# Altium PCB EVK-NORA-W40.PcbDoc (part 5 of 5) (continued)
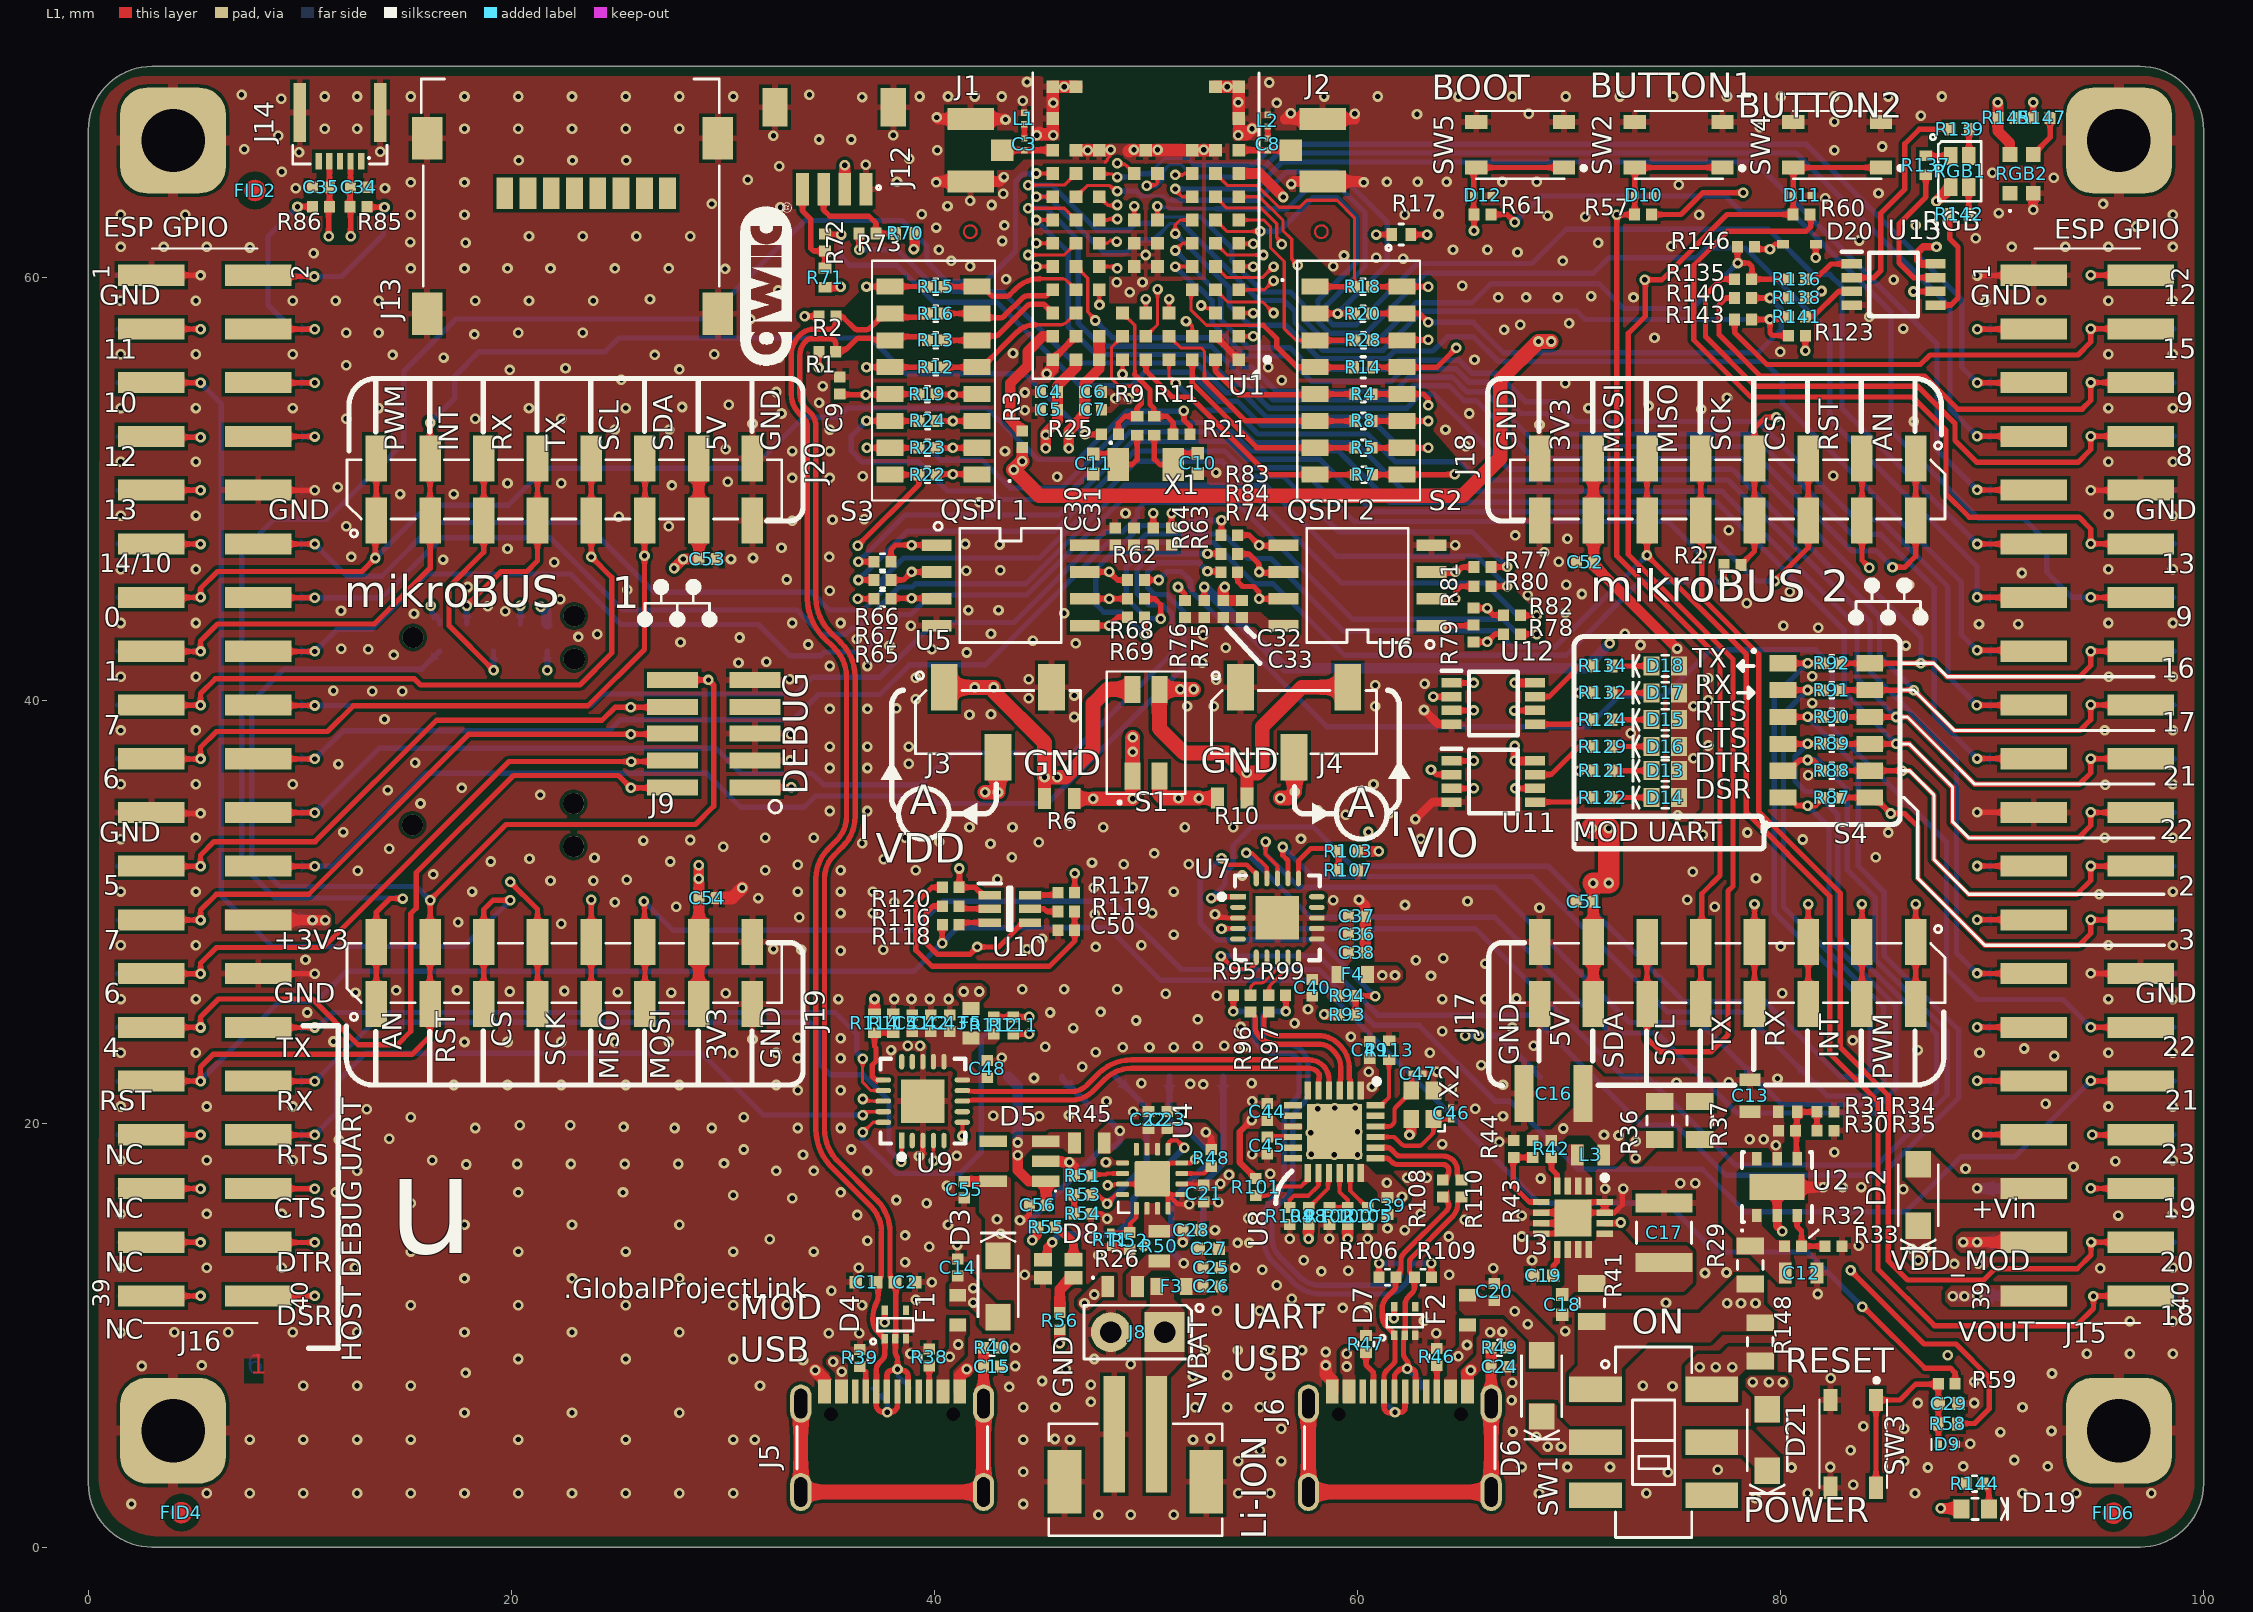
[diagram p0: L1 view]
## Polygon pours and split planes (outlines as drawn) (continued)
GND on L3 "GND_L3" (solid, remove dead copper, pour order 168): 2.718,69.545 97.205,69.545 cw(c97.205,67.183) 99.568,67.183 99.568,3.048 cw(c97.028,3.048) 97.028,0.508 3.301,0.508 cw(c3.301,3.318) 0.491,3.319 0.525,67.353 cw(c2.718,67.352)
5V on L3 "NONET_L-01_P-001" (solid, pour order 167): 43.586,14.529 55.21,14.529 57.194,12.421 66.624,12.421 68.326,10.719 68.326,9.576 69.748,8.153 80.289,8.153 80.67,7.772 80.67,6.426 80.239,5.994 68.936,5.994 65.608,9.322 52.299,9.322 50.876,10.744 42.102,10.744 41.478,11.327 41.478,12.421
+3V3 on L3 "NONET_L-01_P-001" (solid, pour order 160): 29.527,32.093 29.527,29.934 32.741,26.721 42.088,26.721 42.545,26.264 42.545,24.054 43.612,22.987 59.741,22.987 60.554,23.851 60.554,32.918 60.808,33.172 61.189,33.172 61.493,32.868 61.493,27.965 62.878,26.581 62.878,21.45 66.256,18.072 66.557,17.78 66.599,17.78 67.368,17.772 71.501,13.64 71.501,12.827 71.768,12.56 71.933,12.395 82.093,12.395 83.21,11.252 90.145,11.252 90.627,11.735 90.627,17.678 89.662,18.644 78.765,18.644 78.257,19.152 78.257,24.028 67.158,35.128 67.158,41.046 67.361,41.25 73.228,41.25 74.879,42.901 75.463,42.901 76.403,41.961 76.403,34.874 74.955,33.426 74.955,29.997 80.823,24.13 80.823,22.149 81.661,21.311 90.627,21.311 93.269,18.669 93.269,10.109 91.491,8.331 69.799,8.331 68.569,9.561 68.569,10.882 66.167,13.284 58.014,13.284 52.654,18.644 44.171,18.644 38.024,24.79 32.106,24.79 29.464,27.432 11.887,27.432 10.262,29.058 10.262,29.743 10.592,30.074 12.192,30.074 13.335,28.931 27.965,28.931 28.321,29.286 28.321,32.233 28.6,32.512 29.108,32.512
VDD_MOD on L3 "NONET_L-01_P-001" (solid, pour order 162): 50.698,38.278 50.419,38.557 49.047,38.557 47.142,36.652 32.766,36.652 32.334,36.22 32.334,35.281 32.817,34.798 49.352,34.798 51.206,36.652 63.17,36.652 64.237,35.585 64.237,33.147 69.418,27.965 69.418,18.39 72.136,15.672 72.136,15.088 73.66,13.564 82.169,13.564 84.176,11.557 84.658,11.557 84.963,11.862 84.963,13.487 86.004,14.529 87.097,14.529 87.681,13.945 89.357,13.945 89.586,14.173 89.586,15.342 89.281,15.646 88.443,15.646 87.579,16.51 78.816,16.51 77.318,18.009 77.318,24.663 67.005,34.976 67.005,37.922 66.65,38.278
GND on L2 "GND_L2" (solid, remove dead copper, pour order 161): 2.718,69.545 97.206,69.545 cw(c97.206,67.183) 99.568,67.183 99.568,3.048 cw(c97.028,3.048) 97.028,0.508 3.301,0.508 cw(c3.301,3.318) 0.491,3.32 0.525,67.353 cw(c2.718,67.352)
GND on L5 "GND_L5" (solid, remove dead copper, pour order 166): 2.718,69.545 97.205,69.545 cw(c97.205,67.183) 99.568,67.183 99.568,3.048 cw(c97.028,3.048) 97.028,0.508 3.301,0.508 cw(c3.301,3.318) 0.491,3.319 0.525,67.353 cw(c2.718,67.352)

## Other copper
L1:
  pour cut-out: 53.289,56.82 cw(c53.342,56.519) 53.518,56.769 53.721,56.566 53.086,56.566 53.086,56.577 cw(c53.017,56.62) 52.984,56.694 52.984,56.82
  pour cut-out: 64.16,16.967 64.169,16.958 64.169,16.807 64.381,16.807 64.389,16.815 64.389,16.967
  pour cut-out: 52.64,64.29 52.64,65.39 52.63,65.38 49.2,65.38 48.946,65.126 48.946,64.719 49.174,64.491 51.659,64.491 51.86,64.29
  pour cut-out: 46.04,62.09 47.14,62.09 47.14,60.99 46.557,60.99 46.04,61.507
  pour cut-out: 47.917,65.367 47.363,65.367 47.34,65.39 46.04,65.39 46.04,64.379 45.263,63.602 45.263,62.29 47.14,62.29 47.34,62.29 48.514,63.464 48.514,65.367
  pour cut-out: 48.24,62.29 48.99,62.29 48.99,62.44 48.946,62.484 48.235,62.484
  pour cut-out: 48.24,62.09 48.988,62.092 48.988,62.043 48.946,62.001 48.235,62.001
  pour cut-out: 48.24,61.19 48.985,61.19 48.988,61.188 48.997,61.197 48.997,61.392 48.235,61.392
  pour cut-out: 48.24,60.99 48.988,60.992 48.988,60.799 48.946,60.757 48.233,60.757
  pour cut-out: 45.138,56.29 44.755,56.29 44.755,56.388 44.983,56.617 45.212,56.617
  pour cut-out: 89.33,2.403 89.332,2.405 89.332,2.565 89.51,2.565 89.51,2.388
  pour cut-out: 81.407,19.253 81.16,19.253 81.16,18.823 81.158,18.821 81.001,18.821 81.001,19.228 81.102,19.329 81.102,20.091 81.407,20.091
  pour cut-out: 42.926,23.749 42.926,23.317 42.189,23.317 42.189,23.749
  pour cut-out: 82.906,13.081 82.906,11.989 86.258,8.636 87.63,8.636 87.63,9.474 87.528,9.576 86.741,9.576 83.236,13.081
  pour cut-out: 80.904,41.39 80.904,35.921 80.796,35.813 79.249,35.813 79.172,35.89 79.172,41.275 79.273,41.377
  pour cut-out: 37.617,21.844 37.617,21.869 37.541,21.946 37.16,21.946 37.135,21.92 37.135,21.819 37.16,21.793 37.567,21.793
  pour cut-out: 35.1,7.769 35.1,8.074 35.128,8.103 35.179,8.103 35.204,8.077 35.204,7.798 35.179,7.772
  pour cut-out: 41.529,7.341 41.529,7.899 41.935,8.306 41.935,7.696 41.58,7.341
  pour cut-out: 65.532,7.315 65.532,8.026 65.913,8.407 65.938,8.382 65.938,7.671 65.583,7.315
  pour cut-out: 57.35,47.796 57.35,43.986 55.861,43.986 55.397,44.45 55.397,47.543 55.65,47.796
  pour cut-out: 10.8,64.709 10.8,64.975 12.975,64.975 12.975,64.709 11.834,64.709 11.825,64.7
  pour cut-out: 12.425,61.575 11.35,61.575 11.35,61.925 11.325,61.95 11.8,62.425 11.8,64.975 11.825,65 12,65 12,62.125 12.425,61.7
  pour cut-out: 66.533,42.712 66.569,42.748 68.885,42.748 68.885,43.815 66.446,46.253 65.278,46.253 65.049,46.025 65.049,42.748
  pour cut-out: 62.65,46.526 62.65,43.136 65.075,43.136 65.075,45.618 64.16,46.533
  pour cut-out: 40.95,47.796 40.95,44.406 38.322,44.406 38.252,44.475 38.252,47.32 38.783,47.32 39.25,47.787
  pour cut-out: 56.005,20.824 56.418,20.824 56.439,20.803 56.439,20.447 56.388,20.396 56.185,20.396 56.058,20.523 56.058,20.77 56.005,20.822
  pour cut-out: 53.94,66.491 55.595,66.491 56.093,66.99 59.599,66.99 59.599,65.09 56.279,65.09 55.779,65.59 53.94,65.59
  pour cut-out: 46.39,66.49 44.203,66.49 43.703,66.99 40.456,66.99 40.456,65.09 43.729,65.09 44.229,65.59 46.39,65.59
  pour cut-out: 89.383,67.328 89.383,63.554 89.201,63.373 88.265,63.373 87.757,62.865 87.757,60.833 87.249,60.325 85.979,60.325 85.344,60.96 85.344,62.662 86.995,64.313 86.995,67.294
  pour cut-out: 70.866,19.355 71.145,19.075 71.247,19.075 71.247,17.424 70.79,17.882 70.79,19.279
  pour cut-out: 50.089,62.382 50.089,62.052 50.698,62.052 50.698,62.382
  pour cut-out: 57.247,64.067 57.239,64.059 56.769,64.059 56.769,63.576 56.693,63.5 56.693,63.348 57.125,63.348 57.61,63.833 57.61,64.04
  pour cut-out: 46.25,46.526 46.25,43.136 50.35,43.136 50.952,43.739 50.952,45.849 50.649,46.152 48.692,46.152 48.311,46.533
  pour cut-out: 58.296,15.418 58.064,15.418 58.064,16.002 58.039,16.027 58.341,16.027
  pour cut-out: 63.525,52.825 65.329,50.741 65.329,50.343 64.922,49.936 55.042,49.936 54.915,50.063 54.915,53.3
  pour cut-out: 63.754,59.614 63.754,57.048 63.703,56.998 64.313,56.388 64.313,56.236 64.14,56.236 63.402,55.498 62.883,55.498 62.883,55.253 57.213,55.253 57.213,55.503 56.337,56.379 56.337,61.9 56.744,62.306 58.927,60.123 62.883,60.123 62.885,60.122 63.449,60.122 63.754,59.817 63.754,59.669
  pour cut-out: 35.744,58.616 36.488,59.36 42.24,59.36 42.774,58.826 41.631,57.683 36.144,57.683 35.687,58.141
  pour cut-out: 35.738,56.09 35.756,56.109 42.418,56.109 42.672,56.363 42.037,56.998 35.865,56.998 35.738,56.871
  pour cut-out: 49.335,50.256 50.635,50.256 50.635,51.701 50.114,52.222 49.454,52.222 49.352,52.121
  pour cut-out: 45.237,51.537 47.066,51.537 47.066,52.603 46.99,52.68 45.212,52.68
  pour cut-out: 47.34,60.99 47.14,60.99 47.142,60.988 47.142,60.35 47.219,60.274 47.371,60.274 47.34,60.305
  pour cut-out: 52.64,59.89 52.84,59.89 52.84,65.39 54.445,65.39 54.788,65.047 54.788,59.715 53.899,58.826 53.007,58.826 52.64,59.193
  pour cut-out: 50.698,60.09 52.64,60.09 52.64,63.19 50.947,63.19 50.698,62.941
  pour cut-out: 48.988,60.088 48.985,60.09 48.24,60.09 48.24,58.846 48.296,58.79 49.617,58.79 49.632,58.776 50.19,58.776 50.19,59.411 50.622,59.842 51.918,59.842 52.172,59.588 52.172,58.073 50.995,56.896 48.082,56.896 47.422,57.556 47.422,60.376 47.676,60.63 48.946,60.63 48.997,60.579
  text "1" at 7.621,7.874 h1.6
L3:
  pour cut-out: 50.994,62.257 51,62.252 51,59.25 54.001,62.251 ccw(c53.703,62.55) 54.125,62.55 ccw(c54.004,62.55) 54.09,62.635 53.975,62.75 51.562,62.75 ccw(c51.562,62.238) 51.2,62.6
  pour cut-out: 48.062,60.201 48.062,61.321 ccw(c47.423,61.321) 47.875,61.773 ccw(c47.809,61.707) 47.809,61.8 47.291,61.8 ccw(c47.291,60.771) 46.563,61.499 42.372,57.307 ccw(c43.55,56.13) 41.885,56.13 41.885,55.97 ccw(c42.62,55.97) 42.1,55.45 ccw(c42.221,55.571) 42.221,55.4 42.875,55.4 ccw(c42.875,55.46) 42.918,55.418 43.375,55.875 43.121,56.129 cw(c43.291,56.3) 43.05,56.3 43.05,56.734 cw(c43.391,56.734) 43.15,56.975 43.956,57.781 cw(c45.752,55.985) 45.752,58.525 46.225,58.525
  pour cut-out: 47.975,54.675 49.575,54.675 49.575,53.931 49.144,53.5 ccw(c50.94,51.704) 48.4,51.704 48.4,49.338 ccw(c48.458,49.338) 48.417,49.297 cw(c48.277,49.157) 48.475,49.157 48.475,42.768 ccw(c49.243,42.768) 48.7,42.225 49.196,42.225 ccw(c49.196,44.765) 50.992,42.969 51.446,43.423 cw(c52.087,42.782) 52.087,43.688 57.358,43.688 cw(c57.359,42.659) 58.087,43.386 58.798,42.675 ccw(c59.823,43.697) 59.824,42.25 67.818,42.25 ccw(c67.818,43.957) 69.025,42.75 ccw(c68.844,42.931) 69.1,42.931 69.1,44.815 ccw(c67.991,44.815) 68.775,45.6 67.368,47.007 cw(c69.164,48.803) 66.624,48.803 66.624,49.836 66.596,49.836 cw(c66.596,51.421) 65.475,50.3 ccw(c64.751,50.3) 65.263,50.812 63.787,52.288 ccw(c63.275,51.776) 63.275,52.5 63.222,52.5 cw(c63.222,54.122) 62.075,52.975 cw(c62.434,53.334) 61.926,53.334 61.926,55.373 ccw(c60.014,55.373) 61.366,56.726 59.613,58.48 ccw(c59.201,58.068) 59.201,58.65 51.574,58.65 ccw(c51.574,56.11) 49.778,57.906 47.664,55.792 cw(c47.447,56.009) 47.447,55.702 46.076,55.702 ccw(c46.076,55.5) 45.933,55.643 ccw(c46.072,55.504) 45.875,55.504 45.875,55.129 ccw(c46.024,55.129) 45.919,55.024 45.984,54.958 ccw(c46.125,55.099) 46.125,54.9 47.765,54.9 ccw(c47.765,54.985) 47.825,54.925 47.904,54.846 cw(c47.734,54.675)
  text "3" at 7.493,7.889 h1.6
L4:
  text "4" at 7.442,7.874 h1.6
L2:
  text "2" at 7.494,7.901 h1.6
L5:
  text "5" at 7.494,7.889 h1.6
L6:
  pour cut-out: 84.975,42.225 87.225,42.225 87.225,40.25 83.6,36.625 83.6,35.8 81.5,35.8 80.137,37.163 80.137,39.112 80.65,39.625 83.025,39.625 84.325,40.925 84.325,41.825
  text "6" at 7.493,7.889 h1.6
Multi-Layer:
  circle w0.1: c58.29,62.19 r0.3
  circle w0.1: c41.69,62.19 r0.3
  pour cut-out: 7.366,8.89 8.255,8.89 8.255,7.747 7.366,7.747

## Silkscreen, mask and mechanical layers (free items; w line width, h text height)
Top Overlay:
  drawing of 200 lines, arcs and shapes, not listed
  text "BUTTON1" at 70.987,68.117 h2
  text "BOOT" at 63.519,68.029 h2
  text "BUTTON2" at 77.987,67.181 h2
  text "RGB" at 86.71,61.919 h1.6
  text "ESP GPIO" at 0.699,61.646 h1.6
  text "ESP GPIO" at 92.951,61.544 h1.6
  text "1" at 1.27,59.945 h1.35 r90
  text "2" at 10.668,59.945 h1.35 r90
  text "1" at 90.17,59.945 h1.35 r90
  text "2" at 99.568,59.818 h1.35 r90
  text "GND" at 0.508,58.435 h1.6
  text "GND" at 88.976,58.435 h1.6
  text "12" at 98.071,58.445 h1.6
  text "15" at 98.045,55.895 h1.6
  text "11" at 0.687,55.88 h1.6
  text "10" at 0.687,53.355 h1.6
  text "9" at 98.706,53.355 h1.6
  text "PWM" at 15.24,51.816 h1.6 r90
  text "INT" at 17.78,51.816 h1.6 r90
  text "RX" at 20.32,51.816 h1.6 r90
  text "TX" at 22.86,51.817 h1.6 r90
  text "SCL" at 25.385,51.816 h1.6 r90
  text "SDA" at 27.925,51.816 h1.6 r90
  text "5V" at 30.465,51.817 h1.6 r90
  text "GND" at 33.005,51.816 h1.6 r90
  text "GND" at 67.803,51.816 h1.6 r90
  text "3V3" at 70.343,51.816 h1.6 r90
  text "SCK" at 77.963,51.816 h1.6 r90
  text "CS" at 80.503,51.816 h1.6 r90
  text "RST" at 83.043,51.816 h1.6 r90
  text "AN" at 85.598,51.816 h1.6 r90
  text "MOSI" at 72.883,51.689 h1.6 r90
  text "MISO" at 75.423,51.689 h1.6 r90
  text "8" at 98.68,50.815 h1.6
  text "12" at 0.687,50.8 h1.6
  text "13" at 0.687,48.275 h1.6
  text "GND" at 8.509,48.275 h1.6
  text "GND" at 96.774,48.275 h1.6
  text "QSPI 1" at 40.268,48.26 h1.6
  text "QSPI 2" at 56.651,48.26 h1.6
  text "14/10" at 0.509,45.779 h1.5
  text "13" at 97.995,45.735 h1.6
  text "mikroBUS" at 70.993,44.196 h2.6
  text "2" at 81.915,44.196 h2.6
  text "mikroBUS" at 12.09,43.942 h2.6
  text "1" at 24.742,43.9 h2.6
  text "9" at 98.68,43.22 h1.6
  text "0" at 0.711,43.195 h1.6
  text "TX" at 75.82,41.275 h1.6
  text "16" at 97.969,40.782 h1.6
  text "1" at 0.713,40.64 h1.6
  text "RX" at 75.946,40.005 h1.6
  text "RTS" at 75.946,38.75 h1.6
  text "17" at 98.02,38.227 h1.6
  text "7" at 0.711,38.1 h1.6
  text "CTS" at 75.946,37.48 h1.6
  text "DTR" at 75.946,36.322 h1.6
  text "GND" at 52.578,36.213 h2
  text "GND" at 44.196,36.086 h2
  text "21" at 98.071,35.687 h1.6
  text "6" at 0.686,35.575 h1.6
  text "DEBUG" at 34.399,35.56 h2 r90
  text "DSR" at 75.946,35.067 h1.6
  text "A" at 38.822,34.163 h2.4
  text "A" at 59.523,34.036 h2.4
  text "I" at 61.54,33.147 h2.4
  text "22" at 97.918,33.147 h1.6
  text "GND" at 0.508,33.035 h1.6
  text "MOD UART" at 70.199,33.05 h1.6
  text "I" at 36.394,33.02 h2.4
  text "VIO" at 62.357,32.131 h2.4
  text "VDD" at 37.211,31.877 h2.4
  text "5" at 0.687,30.52 h1.6
  text "2" at 98.807,30.48 h1.6
  text "+3V3" at 8.763,27.955 h1.6
  text "3" at 98.806,27.955 h1.6
  text "7" at 0.711,27.94 h1.6
  text "6" at 0.711,25.415 h1.6
  text "GND" at 8.763,25.415 h1.6
  text "GND" at 96.774,25.415 h1.6
  text "CS" at 20.305,23.622 h1.6 r90
  text "5V" at 70.343,23.623 h1.6 r90
  text "RX" at 80.518,23.622 h1.6 r90
  text "AN" at 15.113,23.495 h1.6 r90
  text "TX" at 77.978,23.496 h1.6 r90
  text "INT" at 83.058,23.114 h1.6 r90
  text "3V3" at 30.465,22.987 h1.6 r90
  text "22" at 98.045,22.885 h1.6
  text "4" at 0.686,22.86 h1.6
  text "TX" at 8.891,22.86 h1.6
  text "RST" at 17.638,22.86 h1.6 r90
  text "GND" at 67.936,22.788 h1.6 r90
  text "SCK" at 22.845,22.733 h1.6 r90
  text "SCL" at 75.296,22.733 h1.6 r90
  text "GND" at 33.005,22.606 h1.6 r90
  text "SDA" at 72.883,22.606 h1.6 r90
  text "MISO" at 25.385,22.098 h1.6 r90
  text "MOSI" at 27.798,22.098 h1.6 r90
  text "PWM" at 85.598,22.098 h1.6 r90
  text "21" at 98.172,20.371 h1.6
  text "RST" at 0.508,20.335 h1.6
  text "RX" at 8.89,20.32 h1.6
  text "23" at 97.995,17.82 h1.6
  text "NC" at 0.762,17.795 h1.6
  text "RTS" at 8.89,17.795 h1.6
  text "NC" at 0.762,15.255 h1.6
  text "CTS" at 8.763,15.255 h1.6
  text "19" at 98.045,15.255 h1.6
  text "+Vin" at 89.027,15.24 h1.6
  text "VDD_MOD" at 85.217,12.774 h1.6
  text "NC" at 0.762,12.715 h1.6
  text "20" at 97.918,12.715 h1.6
  text "DTR" at 8.89,12.7 h1.6
  text "u" at 14.182,12.344 h8
  text ".GlobalProjectLink" at 22.479,11.455 h1.6
  text "39" at 1.258,11.303 h1.35 r90
  text "40" at 10.656,11.176 h1.35 r90
  text "39" at 90.158,11.176 h1.35 r90
  text "40" at 99.556,11.176 h1.35 r90
  text "DSR" at 8.89,10.175 h1.6
  text "18" at 97.918,10.175 h1.6
  text "ON" at 72.974,9.677 h2
  text "NC" at 0.762,9.54 h1.6
  text "VOUT" at 88.392,9.413 h1.6
  text "HOST DEBUG UART" at 13.193,8.763 h1.6 r90
  text "MOD / USB" at 30.785,8.357 h2
  text "UART / USB" at 54.109,7.923 h2
  text "RESET" at 80.233,7.831 h2
  text "VBAT" at 53.213,7.493 h1.6 r90
  text "GND" at 46.848,7.061 h1.6 r90
  text "POWER" at 78.232,0.762 h2
  text "Li-ION" at 56.081,0.365 h2 r90
  text ".Layer_Name" at 215.73,-11.166 h0.61
Bottom Overlay:
  drawing of 490 lines, arcs and shapes, not listed
  text "MOD PIN / ESP GPIO" at 14.3,61.366 h1.6
  text "MOD PIN / ESP GPIO" at 99.568,61.239 h1.6
  text ".GlobalProjectLink" at 75.819,60.325 h1.91
  text "D8/IO12" at 97.409,59.761 h1.6
  text "GND" at 5.207,59.705 h1.6
  text "C5" at 12.319,59.705 h1.6
  text "GND" at 88.9,59.705 h1.6
  text "NORA Evaluation Board" at 86.03,57.48 h2.4
  text "B5" at 12.192,57.165 h1.6
  text "J5" at 88.9,57.165 h1.6
  text "A6/IO11" at 7.366,57.094 h1.6
  text "H9/IO15" at 97.282,57.094 h1.6
  text "NC" at 12.217,55.793 h1.6
  text "J7" at 88.9,54.752 h1.6
  text "H8/IO9" at 97.282,54.681 h1.6
  text "A5/IO10/14" at 9.271,53.665 h1.6
  text "NC" at 12.446,52.085 h1.6
  text "J4" at 88.9,52.085 h1.6
  text "D9/IO12" at 7.366,52.014 h1.6
  text "J8/IO8" at 97.282,52.014 h1.6
  text "Switch" at 28.956,51.054 h2
  text "NORA Pin" at 37.592,51.054 h2
  text "Option 2" at 48.26,51.054 h2
  text "Switch" at 56.388,51.054 h2
  text "NORA Pin" at 65.024,51.054 h2
  text "Option 1" at 75.692,51.054 h2
  text "ESP GPIO" at 84.836,51.054 h2
  text "GND" at 13.462,49.545 h1.6
  text "H3" at 88.9,49.545 h1.6
  text "GND" at 97.282,49.545 h1.6
  text "C9/IO13" at 7.493,49.474 h1.6
  text "JT_TCK" at 75.184,49.1 h2
  text "S2.6" at 26.416,48.983 h2
  text "SDA" at 47.244,48.983 h2
  text "S2.1" at 54.864,48.983 h2
  text "J2" at 61.468,48.983 h2
  text "6" at 83.82,48.983 h2
  text "B4" at 33.528,48.902 h2
  text "G4" at 88.9,47.005 h1.6
  text "D1" at 12.192,46.99 h1.6
  text "E9/IO14" at 7.366,46.934 h1.6
  text "C8/IO13" at 97.282,46.934 h1.6
  text "JT_MTDO" at 75.184,46.56 h2
  text "S2.7" at 26.416,46.443 h2
  text "SCL" at 47.244,46.443 h2
  text "S2.3" at 54.864,46.443 h2
  text "G1" at 61.468,46.443 h2
  text "7" at 83.82,46.443 h2
  text "A3" at 33.528,46.373 h2
  text "C6/IO0" at 6.655,44.652 h1.6
  text "G2" at 88.9,44.465 h1.6
  text "E2" at 12.192,44.45 h1.6
  text "F7/IO9" at 97.282,44.394 h1.6
  text "Digital-IO" at 47.244,44.074 h2
  text "S2.2" at 26.924,43.954 h2
  text "S3.1" at 54.864,43.903 h2
  text "F7" at 61.468,43.903 h2
  text "BOOT" at 75.184,43.903 h2
  text "9" at 83.818,43.903 h2
  text "H8" at 33.528,43.833 h2
  text "G8/IO16" at 97.536,42.235 h1.6
  text "B6/IO1" at 6.477,41.981 h1.6
  text "C4" at 12.319,41.925 h1.6
  text "G3" at 88.9,41.925 h1.6
  text "Digital-IO" at 47.244,41.534 h2
  text "Digital-IO" at 75.184,41.534 h2
  text "S3.4" at 26.924,41.49 h2
  text "S2.8" at 54.864,41.363 h2
  text "A5" at 61.468,41.373 h2
  text "10" at 84.326,41.363 h2
  text "E9" at 33.528,41.293 h2
  text "MOD_TX" at 97.79,41.095 h1.6
  text "G9/IO17" at 97.536,39.695 h1.6
  text "A3/IO7" at 6.604,39.441 h1.6
  text "F3" at 88.9,39.385 h1.6
  text "E1" at 12.065,39.37 h1.6
  text "USB_N" at 47.244,38.94 h2
  text "S3.7" at 26.416,38.823 h2
  text "S3.8" at 54.864,38.823 h2
  text "D8" at 61.468,38.823 h2
  text "BUTTON1" at 75.184,38.823 h2
  text "12" at 84.326,38.814 h2
  text "D9" at 33.528,38.753 h2
  text "MOD_RX" at 97.79,38.555 h1.6
  text "F8/IO21" at 97.409,37.028 h1.6
  text "E3" at 88.9,36.845 h1.6
  text "D2" at 12.319,36.83 h1.6
  text "B4/IO6" at 6.604,36.774 h1.6
  text "USB_P" at 47.244,36.4 h2
  text "S3.6" at 26.416,36.283 h2
  text "S3.5" at 54.864,36.283 h2
  text "C8" at 61.468,36.283 h2
  text "BUTTON2" at 75.184,36.283 h2
  text "13" at 84.326,36.283 h2
  text "C9" at 33.528,36.203 h2
  text "MOD_RTS" at 97.79,35.888 h1.6
  text "F9/IO22" at 97.409,34.615 h1.6
  text "GND" at 5.207,34.305 h1.6
  text "GND" at 88.9,34.305 h1.6
  text "F1" at 12.065,34.29 h1.6
  text "SPI_WP" at 75.184,33.86 h2
  text "S3.2" at 26.695,33.743 h2
  text "RTS" at 47.244,33.743 h2
  text "S2.5" at 54.864,33.743 h2
  text "A2" at 61.468,33.734 h2
  text "21" at 84.326,33.734 h2
  text "F8" at 33.528,33.673 h2
  text "MOD_CTS" at 97.79,33.475 h1.6
  text "E8/IO2" at 97.409,32.075 h1.6
  text "G5" at 88.9,31.765 h1.6
  text "F2" at 12.065,31.75 h1.6
  text "H1/IO5" at 6.731,31.694 h1.6
  text "SPI_HD" at 75.184,31.32 h2
  text "S3.3" at 26.416,31.203 h2
  text "CTS" at 47.244,31.203 h2
  text "S2.4" at 54.864,31.203 h2
  text "D3" at 61.468,31.203 h2
  text "22" at 84.326,31.194 h2
  text "F9" at 33.528,31.133 h2
  text "MOD_DTR" at 97.79,30.935 h1.6
  text "J9/IO3" at 97.409,29.535 h1.6
  text "+3V3" at 13.716,29.225 h1.6
  text "G7" at 88.9,29.225 h1.6
  text "G1/IO7" at 6.731,29.154 h1.6
  text "MOD_DSR" at 97.79,28.395 h1.6
  text "ESP GPIOs are multiplexed to different NORA pins. The ON/OFF switch selection determines the corresponding NORA pin. It is recommended to enable only one interface at a time." at 84.582,26.924 h1.6
  text "J2/IO6" at 6.604,26.868 h1.6
  text "GND" at 13.335,26.685 h1.6
  text "GND" at 97.409,26.685 h1.6
  text "A4" at 88.9,26.67 h1.6
  text "D3/IO22" at 97.409,24.328 h1.6
  text "TX" at 12.318,24.13 h1.6
  text "H7" at 88.9,24.13 h1.6
  text "H2/104" at 6.858,24.074 h1.6
  text "E7" at 88.9,21.717 h1.6
  text "A2/IO21" at 97.409,21.661 h1.6
  text "RX" at 12.192,21.59 h1.6
  text "J3/RESET" at 8.763,21.534 h1.6
  text "B3/IO23" at 97.409,19.121 h1.6
  text "NC" at 4.191,19.065 h1.6
  text "D7" at 88.9,19.05 h1.6
  text "RTS" at 12.954,18.938 h1.6
  text "B1/IO19" at 97.409,16.581 h1.6
  text "NC" at 4.191,16.525 h1.6
  text "+Vin" at 88.9,16.51 h1.6
  text "CTS" at 13.081,16.398 h1.6
  text "VDD_MOD" at 88.9,14.171 h1.6
  text "C1/IO20" at 97.409,14.041 h1.6
  text "NC" at 4.191,13.985 h1.6
  text "DTR" at 13.081,13.97 h1.6
  text "S" at 35.595,11.918 h6
  text "Professional" at 28.078,11.719 h1.54
  text "C2/IO18" at 97.409,11.501 h1.6
  text "NC" at 4.064,11.445 h1.6
  text "VOUT" at 88.9,11.445 h1.6
  text "DSR" at 13.081,11.191 h1.6
  text "HOST DEBUG UART" at 14.366,10.922 h1.6 r270
  text "RoHS" at 23.513,1.844 h2.5 r270
  text "UBXH60-0001145" at 91.44,1.666 h1.6
  text "Rev B" at 72.009,1.651 h1.6
  text ".Layer_Name" at 215.73,-32.172 h0.61
Top Paste:
  rectangle: 209.126,-8.854 213.952,-6.441
  lines w0.2: 209.126,-8.854 232.494,-8.854 232.494,-6.441 209.126,-6.441
  text ".Layer_Name" at 215.73,-8.169 h0.61
Bottom Paste:
  rectangle: 209.126,-35.855 213.952,-33.442
  lines w0.2: 232.494,-35.855 209.126,-35.855 209.126,-33.442 232.494,-33.442
  text ".Layer_Name" at 215.73,-35.169 h0.61
Top Solder:
  rectangle: 209.126,-14.849 213.952,-12.436
  lines w0.2: 209.126,-14.849 232.494,-14.849 232.494,-12.436 209.126,-12.436 209.126,-14.849
  text ".Layer_Name" at 215.73,-14.163 h0.61
Bottom Solder:
  rectangle: 209.126,-29.86 213.952,-27.447
  lines w0.2: 209.126,-29.86 209.126,-27.447 232.494,-27.447 232.494,-29.86 209.126,-29.86
  text ".Layer_Name" at 215.73,-29.174 h0.61
Route Tool Path:
  rectangle: 209.126,18.134 213.952,20.547
  lines w0.2: 209.126,18.134 232.494,18.134 232.494,20.547 209.126,20.547 209.126,18.134
  text ".Layer_Name" at 215.73,18.819 h0.61
Border & Title:
  drawing of 60 lines, arcs and shapes, not listed
  text "1" at -0.948,136.304 h0.61
  text "2" at 68.919,136.304 h0.61
  text "3" at 138.642,136.304 h0.61
  text "4" at 208.518,136.304 h0.61
  text "REVISION" at 189.524,130.402 h0.61
  text "REV" at 153.71,126.084 h0.61
  text "DESCRIPTION" at 164.632,126.084 h0.61
  text "DATE" at 214.416,126.084 h0.61
  text "BY" at 230.418,126.084 h0.61
  text "Rev1" at 153.71,122.274 h0.61
  text ".ReleaseDesc1" at 164.632,122.274 h0.61
  text ".ReleaseBy1" at 229.148,122.274 h0.61
  text ".ReleaseDate1" at 212.384,122.02 h0.61
  text ".ReleaseBy2" at 229.148,118.464 h0.61
  text ".ReleaseDate2" at 212.384,118.21 h0.61
  text ".ReleaseRev2" at 152.942,115.438 h0.61
  text ".ReleaseDesc2" at 163.864,115.438 h0.61
  text ".ReleaseDate3" at 212.384,114.654 h0.61
  text ".ReleaseBy3" at 229.148,114.654 h0.61
  text ".ReleaseRev3" at 152.942,111.628 h0.61
  text ".ReleaseDesc3" at 163.864,111.628 h0.61
  text "A" at -33.367,110.446 h0.61
  text "A" at 240.953,110.446 h0.61
  text "B" at -33.367,56.471 h0.61
  text "B" at 240.953,56.471 h0.61
  text "LAYER USAGE" at 210.396,21.956 h0.61
  text "C" at -33.367,2.496 h0.61
  text "C" at 240.953,2.496 h0.61
  text "D" at -33.367,-51.352 h0.61
  text "D" at 240.953,-51.352 h0.61
  text "PROJECT:" at 163.56,-54.603 h0.61
  text "ENGINEER:" at 125.053,-54.628 h0.61
  text ".ProjectEngineer" at 136.692,-56.288 h0.61
  text ".GlobalProjectName" at 174.538,-56.288 h0.61
  text "PCB NAME:" at 163.433,-60.038 h0.61
  text "DATE:" at 125.129,-60.14 h0.61
  text "REV:" at 216.747,-60.369 h0.61
  text ".GlobalProjectRevision" at 223.996,-62.263 h0.61
  text ".GlobalReleaseDate" at 132.374,-62.384 h0.61
  text ".PCBName" at 174.538,-62.384 h0.61
  text "DWG NO:" at 125.262,-66.448 h0.61
  text "FILE NAME:" at 163.362,-66.448 h0.61
  text "SCALE:" at 216.62,-66.642 h0.61
  text "CONFIDENTIAL" at 95.655,-68.575 h0.61
  text ".Pcb_File_Name_No_Path" at 165.648,-69.242 h0.61
  text "1:1" at 225.332,-69.36 h0.61
  text ".PCBDocNum" at 131.866,-69.496 h0.61
  text "1" at -0.948,-74.516 h0.61
  text "2" at 68.919,-74.516 h0.61
  text "3" at 138.642,-74.516 h0.61
  text "4" at 208.518,-74.516 h0.61
Fabrication Notes:
  rectangle: 209.126,15.25 213.952,17.663
  lines w0.2: 209.126,15.25 232.494,15.25 232.494,17.663 209.126,17.663 209.126,15.25
  text ".Layer_Name" at 215.73,15.936 h0.61
Rigid Outline:
  rectangle: 209.126,12.253 213.952,14.666
  lines w0.2: 209.126,12.253 209.126,14.666 232.494,14.666 232.494,12.253 209.126,12.253
  text ".Layer_Name" at 215.73,12.939 h0.61
Ref Des Top:
  rectangle: 209.126,9.256 213.952,11.669
  lines w0.1: 42.205,14.444 43.005,14.844 43.805,14.444 ; 42.205,14.844 43.805,14.844 ; 52.329,13.046 52.324,11.684 ; 52.329,13.081 51.308,13.081 51.308,15.494 49.149,15.494 47.752,15.494 47.752,15.367 47.752,15.24 47.752,14.859 47.752,11.684 52.07,11.684 52.324,11.684 ; 53.858,11.684 53.848,9.017 57.404,9.017 57.404,11.684 52.324,11.684 ; 65.163,63.65 65.163,64.15 ; 67.907,5.095 69.507,5.095 ; 67.907,5.495 68.707,5.095 69.507,5.495 ; 72.783,63.65 72.783,64.15 ; 73.025,35.183 73.025,35.683 ; 73.025,36.453 73.025,36.953 ; 73.025,37.596 73.025,38.096 ; 73.025,38.866 73.025,39.366 ; 73.025,40.107 73.025,40.607 ; 73.025,41.376 73.025,41.876 ; 78.569,2.53 80.169,2.53 ; 78.569,2.93 79.369,2.53 80.169,2.93 ; 79.839,61.299 79.839,61.799 ; 80.276,63.65 80.276,64.15 ; 85.712,14.112 87.312,14.112 ; 85.712,14.512 86.512,14.112 87.312,14.512 ; 90.449,1.553 90.449,2.053 ; 91.084,-5.279 91.084,-4.779
  lines w0.2: 209.126,9.256 209.126,11.669 232.494,11.669 232.494,9.256 209.126,9.256
  text "SW2" at 81.712,66.049 h1
  text "SW4" at 73.812,65.973 h1
  text "SW5" at 66.802,65.922 h1
  text "RGB2" at 90.424,63.128 h1
  text "D20" at 82.296,61.731 h1
  text "S2" at 61.341,59.572 h1
  text "S3" at 41.402,59.445 h1
  text "U13" at 84.583,59.445 h1
  text "S4" at 83.82,42.173 h1
  text "U12" at 65.177,39.633 h1
  text "S1" at 49.53,38.363 h1
  text "U11" at 65.507,35.849 h1
  text "J15" at 93.015,31.454 h1
  text "U10" at 43.806,29.465 h1 r90
  text "U7" at 55.881,28.33 h1
  text "J16" at 4.089,26.679 h1
  text "U9" at 39.117,19.821 h1
  text "U8" at 58.675,19.567 h1
  text "U2" at 80.265,17.662 h1
  text "U3" at 68.708,16.392 h1
  text "D8" at 45.466,12.963 h1
  text "RT1" at 54.61,10.16 h1 r90
  text ".Layer_Name" at 215.73,9.942 h0.61
  text "SW3" at 82.668,3.429 h1 r90
Ref Des Bottom:
  rectangle: 209.126,6.208 213.952,8.621
  lines w0.2: 209.126,6.208 209.126,8.621 232.494,8.621 232.494,6.208 209.126,6.208
  text ".Layer_Name" at 215.73,6.894 h0.61
Assembly Top:
  rectangle: 209.126,3.261 213.952,5.674
  lines w0.2: 209.126,3.261 232.494,3.261 232.494,5.674 209.126,5.674 209.126,3.261
  text ".Layer_Name" at 215.73,3.947 h0.61
Assembly Bottom:
  rectangle: 209.126,0.264 213.952,2.677
  lines w0.2: 209.126,0.264 232.494,0.264 232.494,2.677 209.126,2.677 209.126,0.264
  text ".Layer_Name" at 215.73,0.95 h0.61
Courtyard Top:
  rectangle: 209.126,-2.784 213.952,-0.371
  lines w0.2: 209.126,-2.784 232.494,-2.784 232.494,-0.371 209.126,-0.371 209.126,-2.784
  text ".Layer_Name" at 215.73,-2.098 h0.61
Coutryard Bottom:
  rectangle: 209.126,-5.832 213.952,-3.419
  lines w0.2: 209.126,-5.832 232.494,-5.832 232.494,-3.419 209.126,-3.419 209.126,-5.832
  text ".Layer_Name" at 215.73,-5.146 h0.61